# Allegro board TubiiPCB_V6.brd (continued)
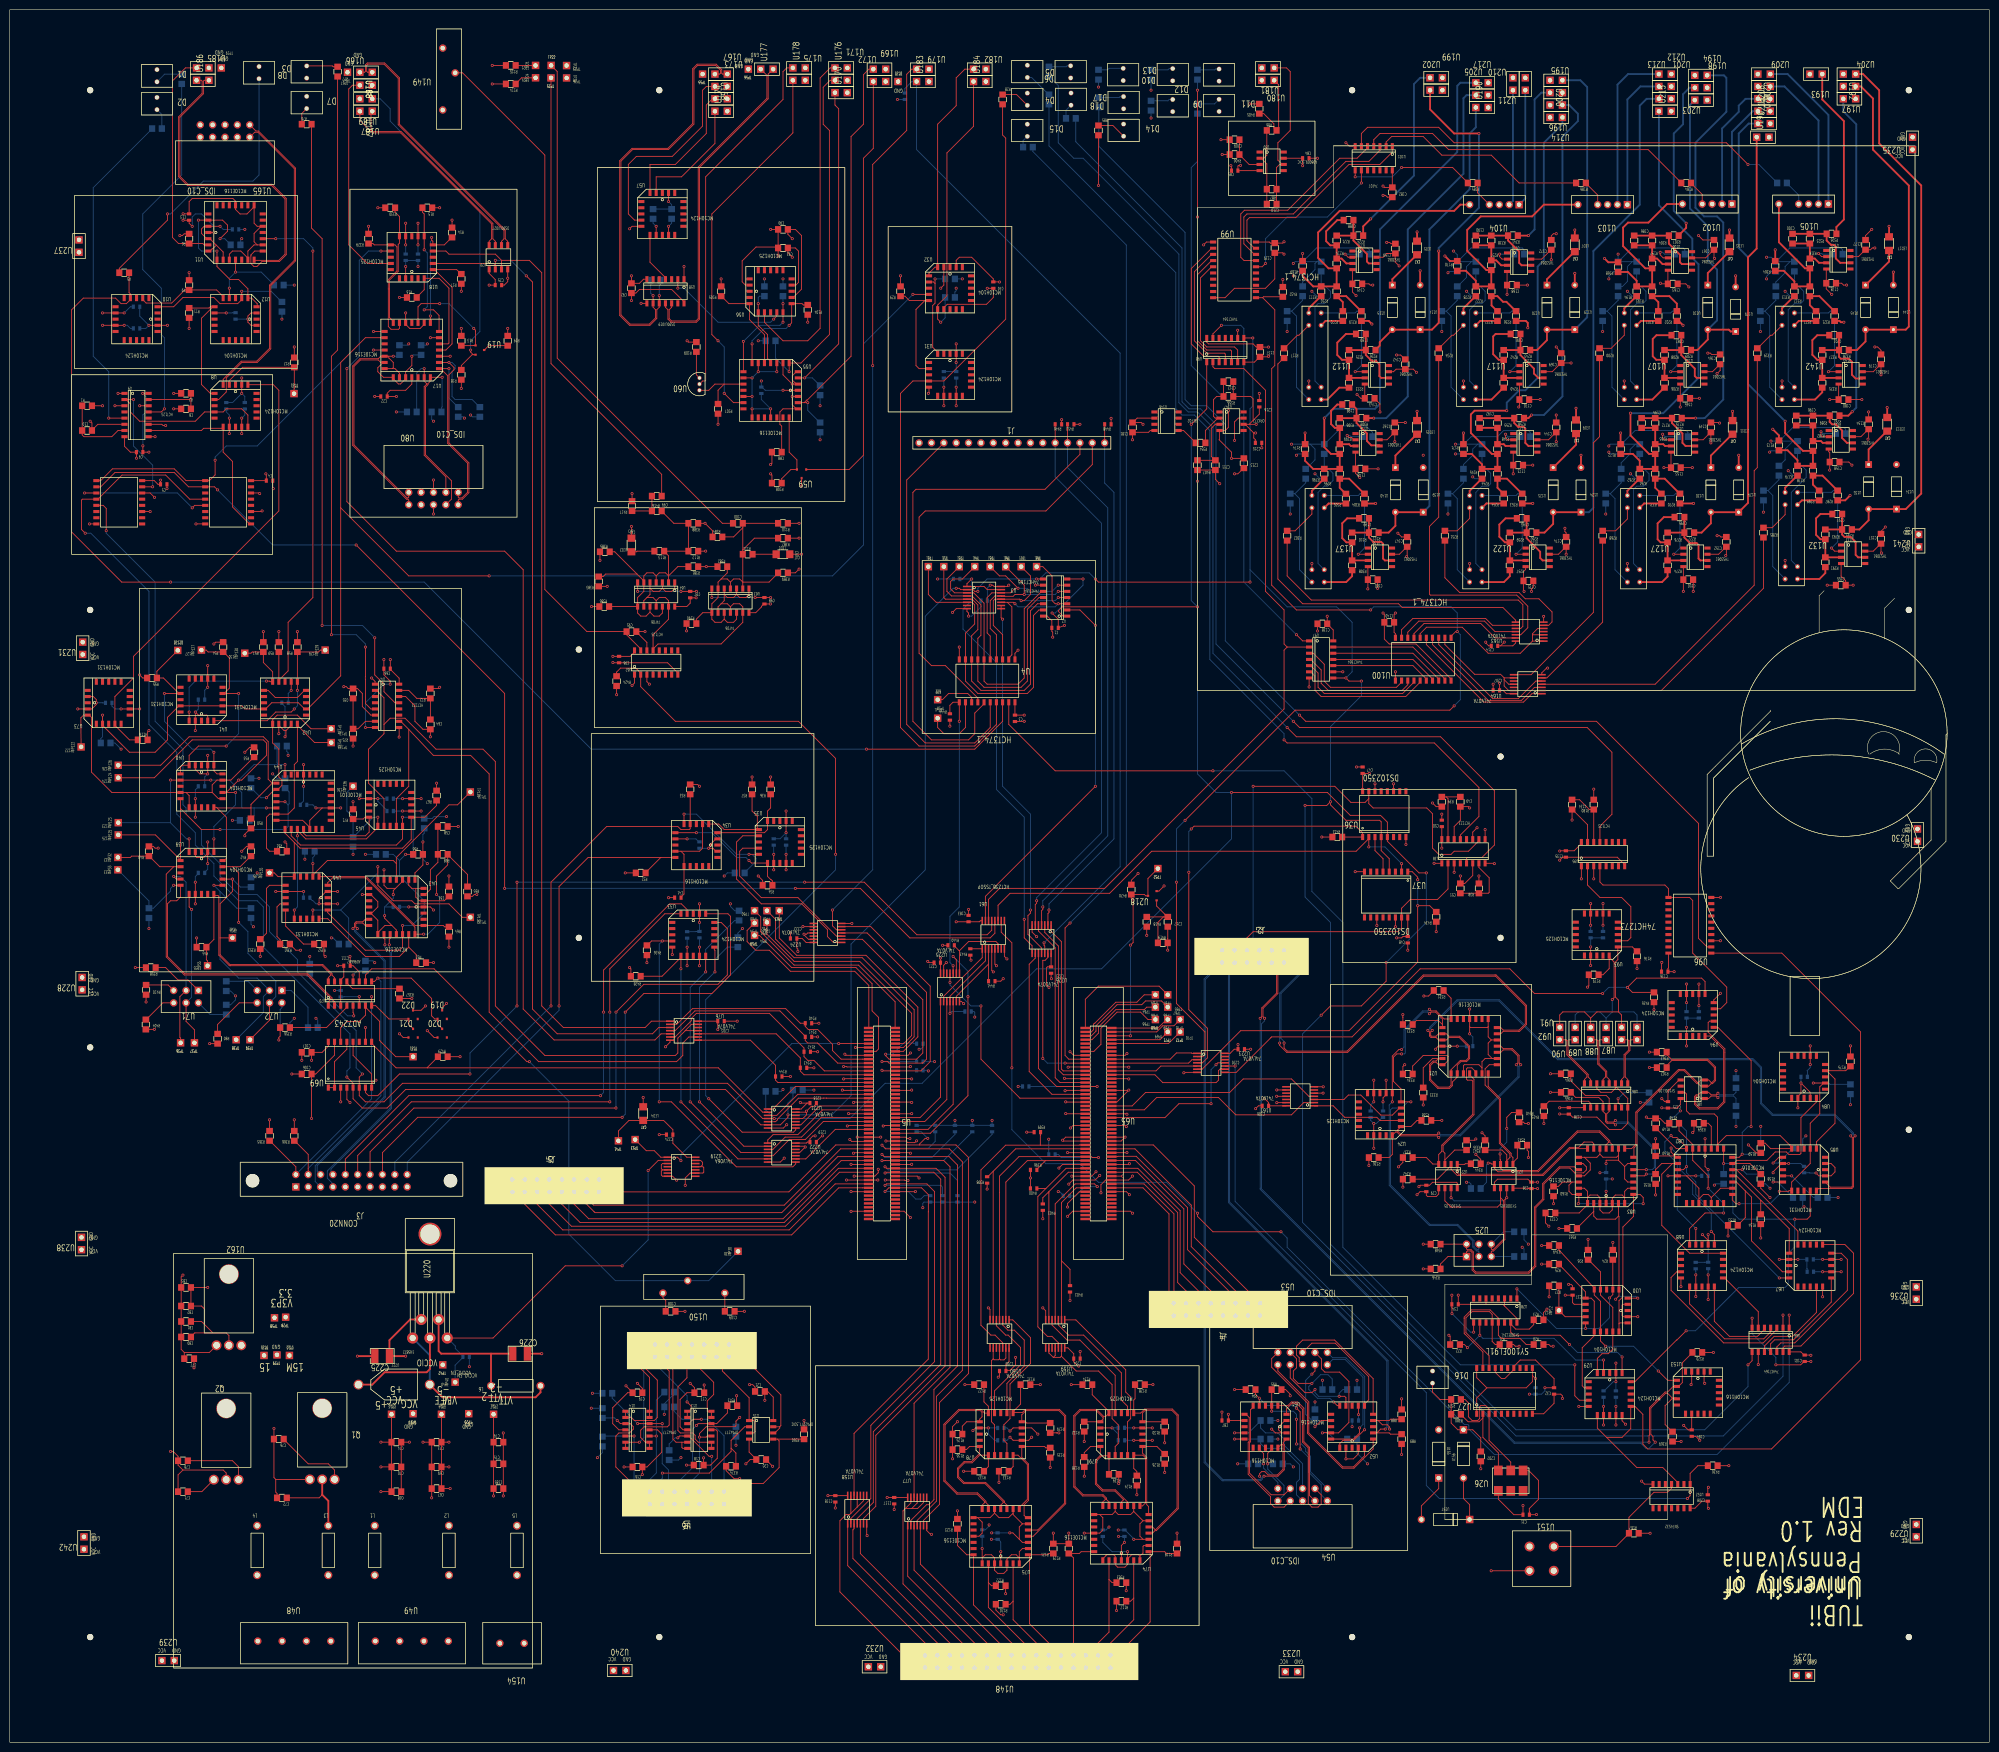
[diagram p0: board, top side]
## Placement (name value [footprint] x y rotation side) (continued)
C185  0.1UF  [CAP805]  100.33 52.07 270 top
C186  NO STUFF  [CAP805]  333.5 308.24 180 top
C187  NO STUFF  [CAP805]  342.17 288.8 90 top
C188  NO STUFF  [CAP805]  274.86 312.42 90 top
C189  NO STUFF  [CAP805]  277.4 289.05 90 top
C190  NO STUFF  [CAP805]  300.99 308.24 180 top
C191  NO STUFF  [CAP805]  309.15 289.05 90 top
C192  NO STUFF  [CAP805]  301.75 270.78 180 top
C193  NO STUFF  [CAP805]  310.42 251.21 90 top
C194  NO STUFF  [CAP805]  335.03 270.78 180 top
C195  NO STUFF  [CAP805]  342.8 251.46 90 top
C196  NO STUFF  [CAP805]  366.78 271.29 180 top
C197  NO STUFF  [CAP805]  375.19 252.1 90 top
C198  NO STUFF  [CAP805]  274.57 274.57 90 top
C199  NO STUFF  [CAP805]  278.03 251.21 90 top
C200  NO STUFF  [CAP805]  366.01 308.61 180 top
C201  NO STUFF  [CAP805]  374.55 288.8 90 top
C202  0.01UF  [CAP805]  302.01 58.67 180 top
C203  0.1UF  [CAP0603]  146.69 145.47 180 top
C204  0.1UF  [CAP0603]  219.76 76.2 180 top
C205  0.1UF  [CAP0603]  203.2 78.74 0 top
C206  0.1UF  [CAP0603]  258.44 128.09 180 top
C207  0.1UF  [CAP0603]  304.55 218.44 0 top
C208  0.1UF  [CAP0603]  346.07 49.48 90 top
C209  0.1UF  [CAP805]  251.46 328.93 90 top
C210  NO STUFF  [CAP805]  259.08 315.72 90 top
C211  0.1UF  [CAP805]  247.52 262.13 180 top
C212  NO STUFF  [CAP805]  250.19 279.27 90 top
C213  0.1UF  [CAP805]  253.36 262.52 180 top
C214  0.1UF  [CAP0603]  304.16 227.58 0 top
C215  0.1UF  [CAP0603]  257.05 264.16 180 top
C216  0.1UF  [CAP0603]  259.08 275.39 270 top
C217  5PF  [CAP805]  237.74 168.4 180 top
C218  0.1UF  [CAP0603]  164.29 133.73 0 top
C219  0.1UF  [CAP0603]  164.29 125.73 0 top
C220  0.1UF  [CAP0603]  253.49 139.7 180 top
C221  0.1UF  [CAP0603]  189.76 162.56 0 top
C222  0.1UF  [CAP0603]  160.27 167.51 0 top
C223  0.1UF  [CAP0603]  216.33 159.16 270 top
C224  0.1UF  [CAP0603]  136.14 122.17 180 top
C225  VALUE?  [CAP1210]  76.45 79.25 180 top
C226  VALUE?  [CAP1210]  104.78 79.76 0 top
D1  -  [LED_SSFLXH1031D]  30.23 343.31 0 top
D2  -  [LED_SSFLXH1031D]  30.23 337.6 0 top
D3  -  [LED_SSFLXH1031D]  51.18 343.95 0 top
D4  -  [LED_SSFLXH1031D]  208.91 338.49 0 top
D5  -  [LED_SSFLXH1031D]  208.91 344.2 0 top
D6  -  [LED_SSFLXH1031D]  217.81 341.6 180 top
D7  -  [LED_SSFLXH1031D]  60.96 337.82 0 top
D8  -  [LED_SSFLXH1031D]  60.96 341.57 180 top
D9  -  [LED_SSFLXH1031D]  238.76 337.19 0 top
D10  -  [LED_SSFLXH1031D]  238.76 341.03 180 top
D11  -  [LED_SSFLXH1031D]  248.28 337.22 0 top
D12  -  [LED_SSFLXH1031D]  248.28 340.93 180 top
D13  -  [LED_SSFLXH1031D]  228.6 343.57 0 top
D14  -  [LED_SSFLXH1031D]  228.68 332.14 0 top
D15  -  [LED_SSFLXH1031D]  208.91 332.11 0 top
D16  -  [LED_SSFLXH1031D]  292.1 76.2 0 top
D17  -  [LED_SSFLXH1031D]  217.88 338.5 0 top
D18  -  [LED_SSFLXH1031D]  228.68 335.27 180 top
D19  -  [SOT23]  88.77 149.35 90 top
D20  -  [SOT23]  88.77 145.54 90 top
D21  -  [SOT23]  82.8 145.54 90 top
D22  -  [SOT23]  82.79 149.34 90 top
J1  -  [SIP16]  205.74 266.7 90 top
J2  -  [CONN12]  255.27 161.29 90 top
J3  -  [CONN20]  58.74 113.98 270 top
J4  -  [CONN16]  246.57 88.84 270 top
J5  -  [CONN16]  113.35 114.24 90 top
L1  -  [INDUCT400]  74.93 34.29 0 top
L2  -  [INDUCT400]  90.17 34.29 0 top
L3  -  [INDUCT400]  65.41 34.29 0 top
L4  -  [INDUCT400]  50.8 34.29 0 top
L5  -  [INDUCT400]  104.14 34.29 0 top
L6  -  [INDUCT400]  108.97 73.15 90 top
LED1  Red  [LED1206]  158.75 243.84 270 top
LED2  Red  [LED1206]  127.63 245.75 0 top
LED3  Green  [LED1206]  353.06 307.34 180 top
LED4  Red  [LED1206]  130.05 129.03 180 top
LED5  Green  [LED1206]  288.92 306.7 180 top
LED7  Green  [LED1206]  321.31 307.34 180 top
LED9  Green  [LED1206]  321.56 270 180 top
LED11  Green  [LED1206]  353.69 269.88 180 top
LED13  Green  [LED1206]  385.44 270.51 180 top
LED15  Green  [LED1206]  288.92 269.88 180 top
LED17  Green  [LED1206]  385.83 307.59 180 top
NOREF  -  []  406.4 0 90 top
NOREF#2  -  []  0 355.6 0 top
NOREF#3  -  [unnamed#2]  275.59 339.09 0 top
NOREF#4  -  [unnamed#2]  16.51 142.62 0 top
NOREF#5  -  [unnamed#2]  389.89 339.09 0 top
NOREF#6  -  [unnamed#2]  389.89 125.73 0 top
NOREF#7  -  [unnamed#2]  133.35 339.09 0 top
NOREF#8  -  [unnamed#3]  116.84 224.28 0 top
NOREF#9  -  [unnamed#2]  16.51 232.41 0 top
NOREF#10  -  [unnamed#2]  389.89 21.59 0 top
NOREF#11  -  [unnamed#2]  275.59 21.59 0 top
NOREF#12  -  [unnamed#3]  306.07 165.1 0 top
NOREF#13  -  [unnamed#2]  133.35 21.59 0 top
NOREF#14  -  [unnamed#2]  16.51 339.09 0 top
NOREF#15  -  [unnamed#2]  16.51 21.59 0 top
NOREF#16  -  [unnamed#3]  306.07 202.31 0 top
NOREF#17  -  [unnamed#3]  116.84 165.1 0 top
NOREF#18  -  [unnamed#2]  389.89 232.41 0 top
Q1  -  [TO220ABV]  61.61 53.95 0 top
Q2  -  [TO220ABH]  41.9 53.9 270 top
R1  10K  [RES805]  15.88 274.32 270 top
R2  10K  [RES805]  36.19 276.86 90 top
R3  100  [RES805]  30.23 331.22 270 bottom
R4  100  [RES805]  35.31 341.38 0 bottom
R5  100  [RES805]  23.5 301.62 90 top
R6  50  [RES805]  36.83 308.61 0 top
R7  50  [RES805]  46.36 307.34 90 bottom
R8  50  [RES805]  55.25 299.08 90 bottom
R9  50  [RES805]  36.83 299.08 0 top
R10  50  [RES805]  55.88 294.64 0 bottom
R11  50  [RES805]  36.83 293.37 180 top
R12  100  [RES805]  58.42 283.21 0 top
R13  50  [RES805]  92.71 287.66 180 top
R14  50  [RES805]  90.81 309.88 180 top
R15  50  [RES805]  85.73 314.96 90 top
R16  50  [RES805]  82.55 296.55 270 top
R17  50  [RES805]  92.71 300.36 0 top
R18  1000  [RES805]  92.71 280.67 0 top
R19  1000  [RES805]  102.23 287.66 180 top
R20  50  [RES805]  313.87 81.63 270 top
R21  50  [RES805]  306.89 81.63 270 top
R22  50  [RES805]  296.73 81.63 90 top
R23  50  [RES805]  313.87 86.71 270 top
R24  50  [RES805]  329.11 100.05 0 top
R25  50  [RES805]  317.05 98.14 90 top
R26  50  [RES805]  324.03 100.05 0 top
R27  50  [RES805]  317.05 93.7 90 top
R28  100  [RES805]  203.84 337.19 180 top
R29  50  [RES805]  182.88 297.81 0 top
R30  50  [RES805]  193.04 300.36 90 bottom
R31  50  [RES805]  193.04 296.55 90 bottom
R32  50  [RES805]  129.54 178.44 90 top
R33  50  [RES805]  139.7 195.58 0 top
R34  50  [RES805]  155.58 175.9 90 top
R35  50  [RES805]  149.86 178.44 270 bottom
R36  50  [RES805]  156.21 195.58 0 top
R37  50  [RES805]  152.4 195.58 0 top
R38  10K  [RES805]  301.62 175.26 0 top
R39  10K  [RES805]  294 193.04 180 top
R40  100  [RES805]  213.36 342.9 0 bottom
R41  100  [RES805]  213.36 337.19 0 bottom
R42  50  [RES805]  49.53 182.88 0 top
R43  50  [RES805]  49.53 176.53 180 bottom
R44  50  [RES805]  49.53 170.18 0 bottom
R45  50  [RES805]  39.37 163.19 90 top
R46  50  [RES805]  28.57 170.18 0 bottom
R47  5.1K  [RES805]  62.23 146.69 90 bottom
R48  50  [RES805]  28.57 182.88 0 top
R49  50  [RES805]  55.88 204.47 90 bottom
R50  50  [RES805]  49.53 188.59 180 top
R51  50  [RES805]  56.52 196.85 180 bottom
R52  50  [RES805]  48.26 189.23 270 bottom
R53  50  [RES805]  50.17 203.2 0 top
R54  50  [RES805]  43.81 224.79 0 top
R55  50  [RES805]  29.21 218.44 90 top
R56  50  [RES805]  19.68 205.11 90 bottom
R57  50  [RES805]  52.07 224.79 0 top
R58  50  [RES805]  59.06 224.79 0 top
R59  50  [RES805]  55.25 224.79 0 top
R60  50  [RES805]  49.53 196.85 180 bottom
R61  50  [RES805]  55.88 182.88 270 top
R62  50  [RES805]  84.45 160.02 270 top
R63  50  [RES805]  76.2 182.25 270 bottom
R64  50  [RES805]  90.17 166.37 180 top
R65  50  [RES805]  93.98 174.62 180 top
R66  1000  [RES805]  83.82 182.25 270 top
R67  50  [RES805]  87.63 194.31 0 top
R68  1000  [RES805]  88.9 182.25 90 top
R69  50  [RES805]  83.82 182.25 90 bottom
R70  50  [RES805]  70.48 184.78 0 bottom
R71  50  [RES805]  70.48 190.5 0 top
R72  10K  [RES805]  86.36 215.26 0 top
R73  50  [RES805]  61.59 182.88 90 bottom
R74  50  [RES805]  68.58 163.83 90 bottom
R75  10K  [RES805]  70.48 207.01 0 top
R76  100  [RES805]  60.96 332.11 270 top
R77  100  [RES805]  67.31 342.9 180 top
R78  1000  [RES805]  234.31 335.92 180 bottom
R79  1000  [RES805]  234.31 342.26 0 bottom
R80  5.1K  [RES805]  42.67 144.4 180 top
R81  NO STUFF  [RES805]  135.38 68.83 270 bottom
R82  1000  [RES805]  243.84 335.28 180 bottom
R83  1000  [RES805]  243.84 342.26 180 bottom
R84  1000  [RES805]  223.52 342.26 180 bottom
R85  1000  [RES805]  223.52 330.83 180 top
R86  1000  [RES805]  259.08 330.83 270 top
R87  1000  [RES805]  259.08 318.77 90 top
R88  50  [RES805]  285.75 67.31 0 top
R89  50  [RES805]  285.75 62.23 180 top
R90  50  [RES805]  270.51 72.39 270 bottom
R91  50  [RES805]  275.59 72.39 90 bottom
R92  50  [RES805]  275.59 62.23 90 bottom
R93  50  [RES805]  267.97 67.31 180 bottom
R94  50  [RES805]  254.75 72.39 90 top
R95  50  [RES805]  260.08 72.39 270 top
R96  50  [RES805]  257.81 62.23 90 bottom
R97  50  [RES805]  257.81 66.04 90 bottom
R98  50  [RES805]  260.35 57.15 90 bottom
R99  50  [RES805]  255.27 57.15 270 bottom
R100  50  [RES805]  166.37 277.5 0 bottom
R101  50  [RES805]  156.21 287.66 270 bottom
R102  50  [RES805]  166.37 269.88 0 bottom
R103  50  [RES805]  154.94 297.81 180 bottom
R104  50  [RES805]  163.83 294 180 top
R105  50  [RES805]  146.05 297.81 0 top
R106  50  [RES805]  158.75 297.81 180 bottom
R107  50  [RES805]  145.41 273.69 180 top
R108  1000  [RES805]  157.48 258.44 90 top
R109  1000  [RES805]  140.97 286.38 0 top
R110  100  [RES805]  158.75 250.19 90 top
R111  1000  [RES805]  151.5 243.84 270 top
R112  100  [RES805]  140.34 244.48 90 top
R113  1000  [RES805]  133.35 244.48 90 top
R114  1000  [RES805]  102.87 340.36 90 top
R115  1000  [RES805]  102.87 344.17 90 top
R116  50  [RES805]  27.31 205.74 270 top
R117  50  [RES805]  228.22 28.96 90 top
R118  50  [RES805]  239.65 39.75 0 top
R119  50  [RES805]  217.42 39.75 0 top
R120  50  [RES805]  203.45 28.32 90 top
R121  50  [RES805]  214.25 39.75 0 top
R122  50  [RES805]  203.45 32.13 270 top
R123  50  [RES805]  194.56 44.83 0 top
R124  50  [RES805]  231.39 53.72 0 top
R125  50  [RES805]  194.56 63.25 90 top
R126  50  [RES805]  237.11 58.17 0 top
R127  50  [RES805]  199.01 73.41 90 top
R128  50  [RES805]  232.03 73.41 90 top
R129  50  [RES805]  213.61 64.52 180 top
R130  50  [RES805]  237.11 64.79 0 top
R131  50  [RES805]  208.53 73.41 270 top
R132  50  [RES805]  220.6 64.79 0 top
R133  50  [RES805]  204.09 55.63 90 top
R134  50  [RES805]  221.23 73.41 270 top
R135  50  [RES805]  213.61 59.44 180 top
R136  50  [RES805]  194.56 60.07 90 top
R137  50  [RES805]  199.01 55.63 90 top
R138  50  [RES805]  220.6 57.53 0 top
R139  50  [RES805]  226.68 54.99 90 top
R140  4K  [RES0603]  163.32 150.11 0 top
R141  4K  [RES0603]  163.32 147.32 0 top
R142  4K  [RES0603]  163.07 144.27 0 top
R143  4K  [RES0603]  162.31 140.97 0 top
R144  4K  [RES0603]  157.23 139.19 0 top
R145  4K  [RES0603]  191.52 110.87 90 bottom
R146  4K  [RES0603]  199.14 126.62 270 bottom
R147  4K  [RES0603]  197.1 110.87 90 bottom
R148  50  [RES805]  341.71 127.05 270 top
R149  50  [RES805]  337.9 127.05 180 top
R150  50  [RES805]  337.9 121.33 180 top
R151  50  [RES805]  337.9 115.62 0 top
R152  50  [RES805]  341.71 127.05 90 bottom
R153  50  [RES805]  353.77 106.09 270 top
R154  50  [RES805]  359.49 107.36 0 top
R155  50  [RES805]  359.49 115.62 180 bottom
R156  50  [RES805]  359.49 121.97 0 bottom
R157  50  [RES805]  351.87 115.62 180 bottom
R158  50  [RES805]  359.49 115.62 180 top
R159  50  [RES805]  359.49 121.97 0 top
R160  50  [RES805]  316.94 113.08 180 top
R161  50  [RES805]  320.75 105.46 90 top
R162  50  [RES805]  339.17 138.48 90 top
R163  50  [RES805]  339.17 141.65 90 top
R164  50  [RES805]  319.48 137.21 90 top
R165  50  [RES805]  319.48 133.4 90 top
R166  50  [RES805]  377.9 134.03 0 bottom
R167  499  [RES805]  333.43 42.9 270 top
R168  50  [RES805]  330.2 302.77 0 top
R169  50  [RES805]  265.43 303.02 0 top
R170  50  [RES805]  297.18 303.02 0 top
R171  50  [RES805]  298.45 265.43 0 top
R172  50  [RES805]  330.71 265.43 0 top
R173  50  [RES805]  363.22 266.19 0 top
R174  50  [RES805]  265.94 265.43 0 top
R175  50  [RES805]  377.9 139.75 0 top
R176  50  [RES805]  334.09 161.34 180 top
R177  50  [RES805]  354.41 129.59 180 bottom
R178  50  [RES805]  354.41 135.3 0 bottom
R179  50  [RES805]  325.2 157.53 90 top
R180  2K  [RES805]  325.2 192.45 0 top
R181  100  [RES805]  217.85 333.3 90 bottom
R182  100  [RES805]  223.6 336.6 0 bottom
R183  100  [RES805]  363.85 320.04 270 bottom
R184  100  [RES805]  344.17 320.04 90 top
R185  100  [RES805]  300.35 320.04 90 top
R186  100  [RES805]  322.58 320.04 90 top
R187  50  [RES805]  82.55 273.05 270 bottom
R188  50  [RES805]  87.63 273.05 270 bottom
R189  50  [RES805]  92.08 273.05 0 bottom
R190  50  [RES805]  96.52 273.05 0 bottom
R191  50  [RES805]  80.01 285.75 180 bottom
R192  50  [RES805]  84.45 285.75 180 bottom
R193  2K  [RES805]  337.19 297.81 0 top
R194  -  [RES805]  334.01 297.81 0 top
R195  -  [RES805]  330.2 297.81 180 bottom
R196  -  [RES805]  334.01 302.89 180 bottom
R197  -  [RES805]  337.19 303.53 180 top
R198  -  [RES805]  327.02 292.74 0 bottom
R199  111  [RES805]  334.01 297.81 0 bottom
R200  10  [RES805]  326.39 285.12 180 top
R201  -  [RES805]  342.9 305.44 90 bottom
R202  499  [RES805]  342.26 292.74 0 top
R203  -  [RES805]  338.45 292.74 0 top
R204  -  [RES805]  337.19 308.24 180 top
R205  0  [RES805]  342.26 292.74 180 bottom
R206  0  [RES805]  339.72 279.03 180 top
R207  0  [RES805]  341.63 309.25 90 top
R208  -  [RES805]  339.72 284.75 180 top
R209  0  [RES805]  344.17 285.75 90 top
R210  2K  [RES805]  272.41 297.81 0 top
R211  -  [RES805]  269.24 297.81 0 top
R212  -  [RES805]  265.43 297.81 180 bottom
R213  -  [RES805]  269.24 302.89 180 bottom
R214  -  [RES805]  272.41 303.53 180 top
R215  -  [RES805]  262.25 292.74 0 bottom
R216  111  [RES805]  269.24 297.81 0 bottom
R217  10  [RES805]  261.62 285.12 180 top
R218  -  [RES805]  278.13 305.44 90 bottom
R219  499  [RES805]  277.49 292.74 0 top
R220  -  [RES805]  273.69 292.74 0 top
R221  -  [RES805]  272.41 308.24 180 top
R222  0  [RES805]  277.49 292.74 180 bottom
R223  0  [RES805]  274.95 279.03 180 top
R224  0  [RES805]  276.86 309.25 90 top
R225  -  [RES805]  274.95 284.75 180 top
R226  0  [RES805]  279.4 285.75 90 top
R227  2K  [RES805]  304.16 297.81 0 top
R228  -  [RES805]  300.99 297.81 0 top
R229  -  [RES805]  297.18 297.81 180 bottom
R230  -  [RES805]  300.99 302.89 180 bottom
R231  -  [RES805]  304.16 303.16 180 top
R232  -  [RES805]  294 292.74 0 bottom
R233  111  [RES805]  300.99 297.81 0 bottom
R234  10  [RES805]  293.37 285.12 180 top
R235  -  [RES805]  309.88 305.44 90 bottom
R236  499  [RES805]  309.24 292.74 0 top
R237  -  [RES805]  305.44 292.74 0 top
R238  -  [RES805]  304.16 308.24 180 top
R239  0  [RES805]  309.24 292.74 180 bottom
R240  0  [RES805]  306.7 279.03 180 top
R241  0  [RES805]  308.61 309.25 90 top
R242  -  [RES805]  306.7 284.75 180 top
R243  0  [RES805]  311.15 285.75 90 top
R244  2K  [RES805]  305.44 260.35 0 top
R245  -  [RES805]  302.26 260.35 0 top
R246  -  [RES805]  298.45 260.35 180 bottom
R247  -  [RES805]  302.26 265.43 180 bottom
R248  -  [RES805]  305.44 265.43 180 top
R249  -  [RES805]  295.27 255.27 0 bottom
R250  111  [RES805]  302.26 260.35 0 bottom
R251  10  [RES805]  294.64 247.65 180 top
R252  -  [RES805]  311.15 267.97 90 bottom
R253  499  [RES805]  310.51 255.27 0 top
R254  -  [RES805]  306.7 255.27 0 top
R255  -  [RES805]  305.44 270.78 180 top
R256  0  [RES805]  310.51 255.27 180 bottom
R257  0  [RES805]  307.97 241.57 180 top
R258  0  [RES805]  309.88 271.78 90 top
R259  -  [RES805]  307.97 247.28 180 top
R260  0  [RES805]  312.42 248.29 90 top
R261  2K  [RES805]  337.82 260.35 0 top
R262  -  [RES805]  334.64 260.35 0 top
R263  -  [RES805]  330.83 260.35 180 bottom
R264  -  [RES805]  334.64 265.43 180 bottom
R265  -  [RES805]  337.82 265.43 180 top
R266  -  [RES805]  327.66 255.27 0 bottom
R267  111  [RES805]  334.64 260.35 0 bottom
R268  10  [RES805]  327.02 247.65 180 top
R269  -  [RES805]  343.53 267.97 90 bottom
R270  499  [RES805]  342.9 255.27 0 top
R271  -  [RES805]  339.09 255.27 0 top
R272  -  [RES805]  337.82 270.78 180 top
R273  0  [RES805]  342.9 255.27 180 bottom
R274  0  [RES805]  340.36 241.57 180 top
R275  0  [RES805]  342.26 271.78 90 top
R276  -  [RES805]  340.36 247.28 180 top
R277  0  [RES805]  344.8 248.29 90 top
R278  2K  [RES805]  370.2 260.99 0 top
R279  -  [RES805]  367.03 260.99 0 top
R280  -  [RES805]  363.22 260.99 180 bottom
R281  -  [RES805]  367.03 266.06 180 bottom
R282  -  [RES805]  370.2 266.06 180 top
R283  -  [RES805]  360.04 255.91 0 bottom
R284  111  [RES805]  367.03 260.99 0 bottom
R285  10  [RES805]  360.04 248.29 180 top
R286  -  [RES805]  375.92 268.61 90 bottom
R287  499  [RES805]  375.28 255.91 0 top
R288  -  [RES805]  371.47 255.91 0 top
R289  -  [RES805]  370.2 271.29 180 top
R290  0  [RES805]  375.28 255.91 180 bottom
R291  0  [RES805]  372.74 242.2 180 top
R292  0  [RES805]  374.65 272.29 90 top
R293  -  [RES805]  372.74 247.92 180 top
R294  0  [RES805]  377.19 248.92 90 top
R295  2K  [RES805]  273.05 260.35 0 top
R296  -  [RES805]  269.88 260.35 0 top
R297  -  [RES805]  266.06 260.35 180 bottom
R298  -  [RES805]  269.88 265.43 180 bottom
R299  -  [RES805]  273.05 265.43 180 top
R300  -  [RES805]  262.89 255.27 0 bottom
R301  111  [RES805]  269.88 260.35 0 bottom
R302  10  [RES805]  262.25 247.65 180 top
R303  -  [RES805]  278.76 267.97 90 bottom
R304  499  [RES805]  278.13 255.25 0 top
R305  -  [RES805]  274.32 255.25 0 top
R306  -  [RES805]  273.05 270.78 180 top
R307  0  [RES805]  278.13 255.27 180 bottom
R308  0  [RES805]  275.59 241.57 180 top
R309  0  [RES805]  277.49 271.78 90 top
R310  -  [RES805]  275.59 247.28 180 top
R311  0  [RES805]  280.03 248.29 90 top
R312  2K  [RES805]  369.57 297.81 0 top
R313  -  [RES805]  366.39 297.81 0 top
R314  -  [RES805]  362.58 297.81 180 bottom
R315  -  [RES805]  366.39 302.89 180 bottom
R316  -  [RES805]  369.57 303.53 180 top
R317  -  [RES805]  359.41 292.74 0 bottom
R318  111  [RES805]  366.39 297.81 0 bottom
R319  10  [RES805]  358.77 285.12 180 top
R320  -  [RES805]  375.28 305.44 90 bottom
R321  499  [RES805]  374.65 292.74 0 top
R322  -  [RES805]  370.84 292.74 0 top
R323  -  [RES805]  369.57 308.61 180 top
R324  0  [RES805]  374.65 292.74 180 bottom
R325  0  [RES805]  372.11 279.03 180 top
R326  0  [RES805]  374.01 309.61 90 top
R327  -  [RES805]  372.11 284.75 180 top
R328  0  [RES805]  376.55 285.75 90 top
R329  50  [RES805]  73.66 308.61 0 top
R330  50  [RES805]  78.11 314.96 90 top
R331  50  [RES805]  293.37 154.31 90 top
R332  50  [RES805]  287.02 147.32 90 top
R333  50  [RES805]  290.19 133.35 180 top
R334  50  [RES805]  287.02 137.16 90 top
R335  50  [RES805]  299.08 122.56 180 top
R336  50  [RES805]  280.03 120.02 90 top
R337  50  [RES805]  287.02 120.02 270 top
R338  50  [RES805]  290.83 127.63 270 top
R339  50  [RES805]  300.99 113.66 270 bottom
R340  50  [RES805]  309.88 128.27 180 top
R341  50  [RES805]  302.89 122.56 0 top
R342  50  [RES805]  287.02 115.57 270 top
R343  50  [RES805]  310.51 122.56 270 top
R344  50  [RES805]  300.99 118.75 90 top
R345  50  [RES805]  309.88 99.69 90 bottom
R346  50  [RES805]  292.73 97.16 90 top
R347  50  [RES805]  309.88 104.78 90 bottom
R348  50  [RES805]  292.73 102.24 90 top
R349  50  [RES805]  317.05 101.95 90 top
R350  NO STUFF  [RES805]  163.07 63.22 0 top
R351  5.1K  [RES805]  56.52 163.83 90 top
R352  5.1K  [RES805]  63.5 163.83 90 top
R353  5.1K  [RES805]  51.44 163.83 0 top
R354  10K  [RES805]  244.47 266.7 90 top
R355  10K  [RES805]  250.19 276.23 90 top
R356  5.1K  [RES805]  56.52 146.69 90 top
R357  5.1K  [RES805]  80.01 153.67 180 top
R358  5.1K  [RES805]  28.96 159 90 top
R359  5.1K  [RES805]  346.79 127.05 90 top
R360  5.1K  [RES805]  367.11 121.97 90 bottom
R361  5.1K  [RES805]  367.11 111.81 90 bottom
R362  5.1K  [RES805]  372.19 111.81 270 bottom
R363  50  [RES805]  228.22 32.77 270 top
R364  50  [RES805]  362.46 303.02 0 top
R365  50  [RES805]  53.34 124.46 0 top
R366  50  [RES805]  58.42 124.46 0 top
R367  100  [RES805]  209.04 327.41 270 bottom
R368  100  [RES805]  132.59 300.1 270 bottom
R369  50  [RES805]  341.38 62.74 0 top
R370  50  [RES805]  346.46 80.01 90 top
R371  NO STUFF  [RES805]  135.38 58.93 0 bottom
R372  NO STUFF  [RES805]  149.1 63.75 0 bottom
R373  NO STUFF  [RES805]  148.34 69.09 270 top
R374  NO STUFF  [RES805]  148.08 56.64 90 top
R375  NO STUFF  [RES805]  122.68 71.63 270 bottom
R376  NO STUFF  [RES805]  135.38 71.88 90 bottom
R377  NO STUFF  [RES805]  121.67 61.72 0 bottom
R378  NO STUFF  [RES805]  121.67 67.56 180 bottom
R379  50  [RES805]  296.93 70.36 90 top
R380  50  [RES805]  296.93 67.31 90 top
R381  100  [RES805]  140.34 241.3 90 top
R382  100  [RES805]  146.3 241.3 270 top
R383  100  [RES805]  120.9 238.25 0 top
R384  100  [RES805]  145.29 247.4 270 top
R385  100  [RES805]  122.17 244.35 270 top
R386  100  [RES805]  122.05 233.11 270 top
R387  100  [RES805]  158.75 247.14 90 top
R388  100  [RES805]  140.34 250.19 90 top
R389  100  [RES805]  158.75 240.03 90 top
R390  100  [RES805]  139.95 229.62 270 top
R391  4K  [RES0603]  194.03 110.87 90 bottom
R392  4K  [RES0603]  195.07 126.62 270 bottom
R393  4K  [RES0603]  183.64 126.62 270 bottom
R394  4K  [RES0603]  187.45 126.62 270 bottom
R395  4K  [RES0603]  191.52 126.62 270 bottom
R396  4K  [RES0603]  209.55 120.02 0 top
R397  4K  [RES0603]  213.31 118.11 0 bottom
R398  4K  [RES0603]  198.12 114.76 90 top
R399  4K  [RES0603]  210.31 127.76 0 top
R400  4K  [RES0603]  210.87 111.12 180 top
R401  4K  [RES0603]  214.63 110.49 270 top
R402  4K  [RES0603]  217.6 114.68 180 bottom
R403  4K  [RES0603]  220.22 93.73 270 top
R404  5.1K  [RES805]  27.94 147.32 180 top
R405  50  [RES805]  256.54 335.28 0 top
R406  10  [RES805]  251.46 325.88 90 top
R407  10  [RES805]  243.84 262.13 180 top
R408  5.1K  [RES805]  61.59 158.75 180 bottom
R409  5.1K  [RES805]  73.03 159.38 180 bottom
R410  5.1K  [RES805]  27.99 154.43 180 top
R411  5.1K  [RES805]  44.45 150.37 180 bottom
R412  5.1K  [RES805]  44.45 155.19 0 bottom
R413  5.1K  [RES805]  56.52 146.69 90 bottom
R414  5.1K  [RES805]  336.55 132.33 180 bottom
R415  5.1K  [RES805]  314.96 129.54 0 top
R416  100  [RES805]  132.84 252.73 270 top
R417  100  [RES805]  127.76 253.73 0 top
R418  1000  [RES805]  233.43 168.4 180 top
R419  4K  [RES805]  236.73 164.08 270 top
R420  NO STUFF  [RES805]  230.26 175.01 0 top
R421  4K  [RES0603]  94.36 81.66 180 bottom
R424  4K  [RES805]  124.59 217.81 180 top
R425  4K  [RES805]  161.8 133.86 90 bottom
R426  4K  [RES805]  130.81 162.56 180 top
R427  4K  [RES805]  156.21 133.6 90 bottom
R428  4K  [RES805]  128.52 157.23 90 top
R429  4K  [RES805]  88.9 140.72 270 top
R430  4K  [RES805]  149.73 169.67 180 bottom
R431  4K  [RES805]  149.48 164.21 180 bottom
R432  4K  [RES805]  261.37 297.69 180 top
R433  4K  [RES805]  272.54 185.8 270 top
R434  4K  [RES805]  292.86 169.42 0 top
R435  4K  [RES805]  337.57 152.91 0 top
R436  4K  [RES805]  349.63 56.77 90 top
R437  4K  [RES0603]  187.5 140.46 180 bottom
R438  4K  [RES0603]  187.5 142.24 180 bottom
R439  4K  [RES0603]  187.5 145.92 180 bottom
R440  4K  [RES0603]  192.61 166.12 0 top
R441  4K  [RES0603]  202.28 153.67 180 top
R442  4K  [RES0603]  197.41 152.53 180 bottom
R443  4K  [RES0603]  194.67 161.54 90 top
R444  4K  [RES0603]  190.47 209.78 90 top
R445  4K  [RES0603]  207.93 132.06 0 bottom
R446  4K  [RES0603]  215.95 267.97 180 top
R447  4K  [RES0603]  186.31 337.19 90 bottom
R448  4K  [RES0603]  226.11 267.97 180 top
R449  4K  [RES0603]  193.75 236.22 0 bottom
R450  4K  [RES0603]  218.49 267.97 180 top
TP1  -  [FEC32DTP]  188.59 241.3 0 top
TP2  -  [FEC32DTP]  191.77 241.3 0 top
TP3  -  [FEC32DTP]  194.94 241.3 0 top
TP4  -  [FEC32DTP]  198.12 241.3 0 top
TP5  -  [FEC32DTP]  201.3 241.3 0 top
TP6  -  [FEC32DTP]  204.47 241.3 0 top
TP7  -  [FEC32DTP]  207.65 241.3 0 top
TP8  -  [FEC32DTP]  210.82 241.3 0 top
TP9  -  [FEC32DTP]  190.5 214 0 top
TP10  -  [FEC32DTP]  190.5 210.19 0 top
TP11  -  [FEC32DTP]  58.37 276.81 0 top
TP12  -  [FEC32DTP]  318.05 88.63 90 top
TP13  -  [FEC32DTP]  78.37 67.32 0 top
TP14  -  [FEC32DTP]  88.63 67.32 0 top
TP15  -  [FEC32DTP]  57.42 79.39 0 top
TP16  -  [FEC32DTP]  52.21 79.39 0 top
TP17  -  [FEC32DTP]  99.33 67.32 0 top
TP18  -  [FEC32DTP]  182.37 340.87 0 top
TP19  -  [FEC32DTP]  43.43 343.66 0 top
TP20  -  [FEC32DTP]  94.23 67.44 180 top
TP21  -  [FEC32DTP]  107.95 344.17 90 top
TP22  -  [FEC32DTP]  111.15 344.17 0 top
TP23  -  [FEC32DTP]  114.33 344.14 270 top
TP24  -  [FEC32DTP]  107.95 341.63 90 top
TP25  -  [FEC32DTP]  111.12 341.6 180 top
TP26  -  [FEC32DTP]  114.33 341.6 270 top
TP27  -  [FEC32DTP]  82.8 67.44 180 top
TP28  -  [FEC32DTP]  56.64 87.25 180 top
TP29  -  [FEC32DTP]  54.86 79.5 180 top
TP30  -  [FEC32DTP]  149.52 100.76 90 top
TP31  -  [FEC32DTP]  82.8 140.72 0 top
TP32  -  [FEC32DTP]  22.2 181.61 90 top
TP33  -  [FEC32DTP]  22.2 179.07 90 top
TP34  -  [FEC32DTP]  45.72 165.1 0 top
TP35  -  [FEC32DTP]  40.61 159.38 90 top
TP36  -  [FEC32DTP]  35.08 143.56 180 top
TP37  -  [FEC32DTP]  37.92 143.56 180 top
TP38  -  [FEC32DTP]  46.48 144.2 180 top
TP39  -  [FEC32DTP]  49.33 144.2 180 top
TP40  -  [FEC32DTP]  91.44 73.91 90 top
TP41  -  [FEC32DTP]  124.97 123.44 180 top
TP42  -  [FEC32DTP]  88.9 77.47 180 top
TP52  -  [FEC32DTP]  235.71 179.32 180 top
TP53  -  [FEC32DTP]  128.4 123.7 180 top
TP54  -  [FEC32DTP]  152.91 168.15 180 top
TP55  -  [FEC32DTP]  142.24 342.39 180 top
TP56  -  [FEC32DTP]  151.64 343.41 180 top
TP57  -  [FEC32DTP]  69.34 342.77 180 top
TP58  -  [FEC32DTP]  54.36 87.12 180 top
TP59  -  [FEC32DTP]  152.91 165.61 180 top
TP60  -  [FEC32DTP]  152.91 170.69 180 top
TP61  -  [FEC32DTP]  155.45 168.28 180 top
TP62  -  [FEC32DTP]  155.45 170.69 180 top
TP63  -  [FEC32DTP]  157.99 170.69 180 top
TP64  -  [FEC32DTP]  235.2 153.42 180 top
TP65  -  [FEC32DTP]  237.74 150.88 180 top
TP66  -  [FEC32DTP]  235.2 150.88 180 top
TP67  -  [FEC32DTP]  237.74 153.42 180 top
TP68  -  [FEC32DTP]  235.2 148.34 180 top
TP69  -  [FEC32DTP]  237.74 148.34 180 top
TP70  -  [FEC32DTP]  240.28 148.34 180 top
TP71  -  [FEC32DTP]  237.74 145.8 180 top
TP72  -  [FEC32DTP]  240.28 145.8 180 top
TP122  -  [FEC32DTP]  14.66 204.29 90 top
TP123  -  [FEC32DTP]  22.28 188.75 90 top
TP124  -  [FEC32DTP]  22.28 197.97 90 top
TP125  -  [FEC32DTP]  22.28 186.23 90 top
TP126  -  [FEC32DTP]  22.28 200.53 90 top
TP127  -  [FEC32DTP]  39.36 224.17 90 top
TP128  -  [FEC32DTP]  34.49 224.1 0 top
TP129  -  [FEC32DTP]  64.76 224.17 90 top
TP130  -  [FEC32DTP]  48.25 223.53 90 top
TP131  -  [FEC32DTP]  94.56 195.05 270 top
TP132  -  [FEC32DTP]  94.56 169.32 270 top
TP133  -  [FEC32DTP]  65.99 205.18 270 top
TP134  -  [FEC32DTP]  65.99 208.03 270 top
TP135  -  [FEC32DTP]  53.33 178.45 90 top
TP136  -  [FEC32DTP]  70.47 196.23 90 top
U1  -  [SOIC16W]  22.48 254.51 0 top
U2  ***  [SOIC14]  214.63 234.95 180 top
U3  ***  [SSOP16]  200.03 234.95 0 top
U4  ***  [SOIC20]  206.38 222.25 270 top
U5  -  [FCI_61083_CONNECTOR]  179.07 127 0 top
U6  -  [CONN14]  136.49 50.15 270 top
U7  -  [SOIC16W]  44.83 254.51 0 top
U8  ***  [PLCC20]  46.36 274.32 0 top
U9  ***  [SOIC16]  26.04 272.42 0 top
U10  ***  [PLCC20]  26.04 292.1 270 top
U11  ***  [PLCC28]  46.36 309.88 90 top
U12  ***  [PLCC20]  46.36 292.1 270 top
U13  ***  [SOIC14]  141.57 64.12 0 top
U14  ***  [SOIC14]  128.87 64.12 0 top
U15  ***  [SOIC8]  154.27 64.12 0 top
U16  -  [CONN14]  142.59 80.38 90 top
U17  ***  [PLCC28]  82.55 285.75 180 top
U18  ***  [PLCC20]  82.55 304.8 180 top
U19  -  [SOT23]  96.52 285.76 0 top
U20  ***  [SOIC8]  100.33 304.8 90 top
U21  ***  [PLCC28]  299.72 142.88 90 top
U22  ***  [SOIC8]  295.27 116.21 270 top
U23  ***  [SOIC8]  306.7 116.21 270 top
U24  ***  [PLCC20]  281.3 128.91 180 top
U25  -  [SS22SDP2]  301.62 100.97 90 top
U26  -  [SMD_FOX]  308.16 53.69 180 top
U27  ***  [SOIC20W]  306.89 72.12 90 top
U28  ***  [SOIC16]  304.98 88.62 270 top
U29  ***  [PLCC20]  328.48 71.47 0 top
U30  ***  [PLCC20]  327.84 88.62 270 top
U31  ***  [PLCC20]  193.04 280.67 0 top
U32  ***  [PLCC20]  193.04 298.45 0 top
U33  ***  [PLCC20]  140.34 165.74 0 top
U34  ***  [PLCC20]  140.97 184.15 270 top
U35  ***  [PLCC20]  158.12 184.78 0 top
U36  ***  [SOIC16W]  282.19 190.5 90 top
U37  ***  [SOIC16W]  282.57 173.99 270 top
U38  ***  [SOIC16]  298.45 182.88 90 top
U39  ***  [PLCC20]  39.37 178.44 0 top
U40  ***  [PLCC20]  39.37 196.22 0 top
U41  ***  [PLCC20]  39.37 214 180 top
U42  ***  [PLCC20]  56.52 213.36 180 top
U43  ***  [PLCC28]  79.38 171.45 270 top
U44  ***  [PLCC28]  60.33 193.04 0 top
U45  ***  [PLCC20]  78.11 192.41 90 top
U46  ***  [PLCC20]  60.96 173.36 270 top
U47  ***  [SOIC16]  77.47 212.73 0 top
U48  -  [OSTOQ047150]  58.42 20.32 90 top
U49  -  [OSTOQ047150]  82.55 20.32 90 top
U50  ***  [SOIC8]  259.08 324.49 0 top
U51  ***  [PLCC20]  257.81 64.77 270 top
U52  ***  [PLCC20]  275.59 64.77 180 top
U53  -  [CONN10]  260.35 77.47 0 top
U54  -  [CONN10]  270.51 52.07 180 top
U55  ***  [PLCC28]  156.21 277.5 270 top
U56  ***  [PLCC20]  156.21 297.81 90 top
U57  ***  [PLCC20]  133.99 313.69 0 top
U58  ***  [SOIC14]  134.62 297.81 270 top
U59  -  [SOT23]  162.57 260.35 270 top
U60  -  [TO92]  141.6 277.5 180 top
U61  ***  [TSSOP16]  201.93 165.74 90 top
U62  ***  [SOIC16]  132.72 221.62 90 top
U63  ***  [SOIC14]  147.96 234.31 270 top
U64  ***  [SOIC14]  132.72 235.58 270 top
U65  -  [FCI_61083_CONNECTOR]  223.52 127 0 top
U66  ***  [SOIC14]  361.52 82.6 270 top
U67  ***  [PLCC20]  369.65 97.84 90 top
U68  ***  [PLCC20]  347.42 97.84 0 top
U69  ***  [SOIC16W]  69.85 139.06 90 top
U70  ***  [SOIC16]  69.85 153.67 90 top
U71  -  [SS22SDP2]  36.19 153.03 270 top
U72  -  [SS22SDP2]  53.34 153.03 270 top
U73  ***  [PLCC20]  20.32 213.36 90 top
U74  ***  [PLCC28]  228.22 42.93 180 top
U75  ***  [PLCC28]  203.45 42.29 180 top
U76  ***  [TSSOP14]  138.43 146.05 0 top
U77  ***  [TSSOP14]  186.31 47.37 90 top
U78  ***  [PLCC20]  203.45 63.25 90 top
U79  ***  [PLCC20]  228.22 63.25 90 top
U80  -  [CONN10]  81.92 254 0 top
U81  ***  [SOIC8]  345.52 134.03 180 top
U82  ***  [PLCC28]  348.06 116.25 0 top
U83  ***  [PLCC28]  327.74 116.25 180 top
U84  ***  [PLCC20]  368.38 136.57 180 top
U85  ***  [PLCC20]  368.38 117.52 270 top
U86  ***  [SOIC16]  327.74 132.76 270 top
U87  -  [SIP2]  334.09 145.46 180 top
U88  -  [SIP2]  330.91 145.46 180 top
U89  -  [SIP2]  327.74 145.46 180 top
U90  -  [SIP2]  324.56 145.46 180 top
U91  -  [SIP2]  321.39 145.46 180 top
U92  -  [SIP2]  318.21 145.46 180 top
U93  ***  [PLCC20]  325.83 165.78 180 top
U94  ***  [PLCC20]  345.52 149.27 180 top
U95  ***  [SOIC16]  327.1 182.29 90 top
U96  ***  [SOIC20]  349.33 161.97 180 top
U97  ***  [SOIC14]  269.24 222.25 0 top
U98  ***  [SOIC14]  249.55 285.75 90 top
U99  ***  [SOIC20]  247.07 307.92 0 top
U100  ***  [SOIC20]  284.48 217.91 90 top
U101  ***  [SOIC14]  280.03 325.12 270 top
U102  -  [P113FC]  348.49 315.72 270 top
U103  -  [P113FC]  327.02 315.6 270 top
U104  -  [P113FC]  304.8 315.6 270 top
U105  -  [P113FC]  368.3 315.72 270 top
U106  ***  [SOIC8]  342.9 304.04 0 top
U107  -  [COTO2300_V1]  332.74 284.48 0 top
U108  ***  [SOIC8]  345.44 280.67 0 top
U109  -  [DO35]  354.33 289.56 0 top
U110  -  [DO35]  348.61 299.08 180 top
U111  ***  [SOIC8]  278.13 304.17 0 top
U112  -  [COTO2300_V1]  267.97 284.48 0 top
U113  ***  [SOIC8]  280.67 280.67 0 top
U114  -  [DO35]  289.56 289.94 0 top
U115  -  [DO35]  283.84 299.08 180 top
U116  ***  [SOIC8]  309.88 303.78 0 top
U117  -  [COTO2300_V1]  299.72 284.48 0 top
U118  ***  [SOIC8]  312.42 280.67 0 top
U119  -  [DO35]  321.31 289.94 0 top
U120  -  [DO35]  315.59 299.08 180 top
U121  ***  [SOIC8]  311.15 266.7 0 top
U122  -  [COTO2300_V1]  300.99 247.01 0 top
U123  ***  [SOIC8]  313.69 243.2 0 top
U124  -  [DO35]  322.58 252.48 0 top
U125  -  [DO35]  316.86 261.62 180 top
U126  ***  [SOIC8]  343.53 266.7 0 top
U127  -  [COTO2300_V1]  333.38 247.01 0 top
U128  ***  [SOIC8]  346.07 243.2 0 top
U129  -  [DO35]  354.96 252.48 0 top
U130  -  [DO35]  349.25 261.62 180 top
U131  ***  [SOIC8]  375.92 267.33 0 top
U132  -  [COTO2300_V1]  365.76 247.65 0 top
U133  ***  [SOIC8]  378.46 243.84 0 top
U134  -  [DO35]  387.35 253.11 0 top
